# Altium PCB PCB3.PcbDoc (part 1 of 2) (continued)
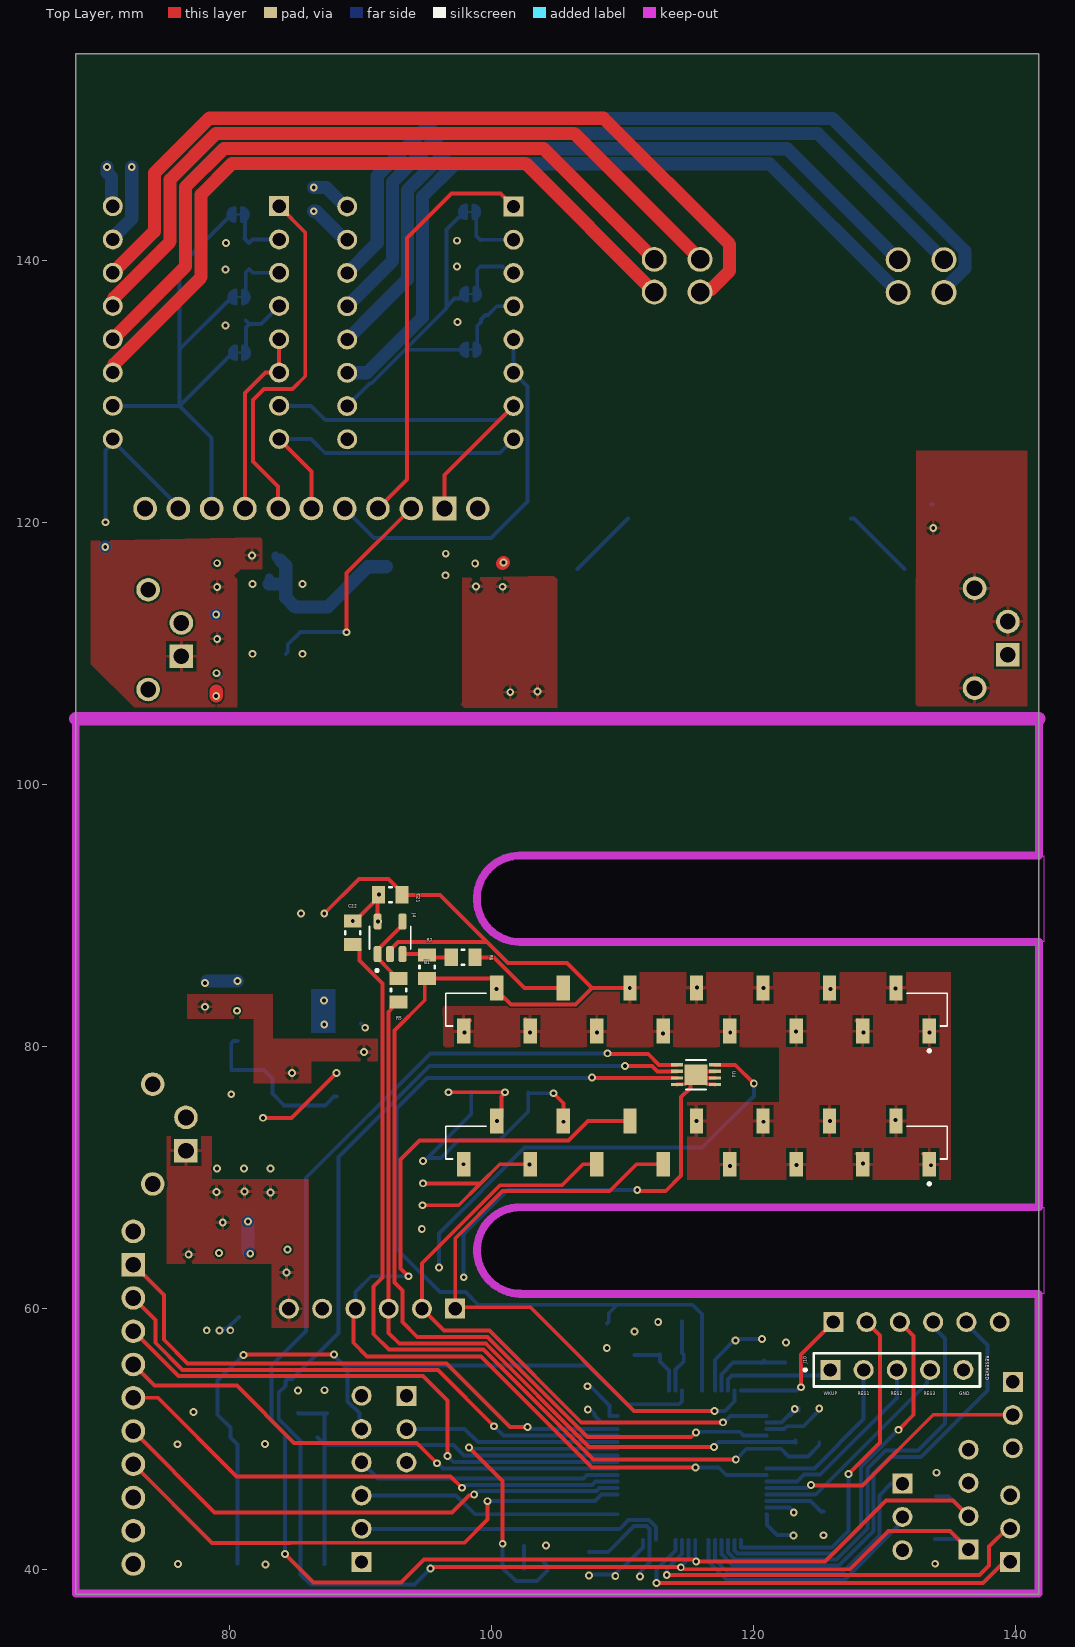
[diagram p0: Top Layer view]
## Footprints (in the part's own frame and the unit in brackets; to place one, negate y for a bottom-side part, rotate by r counter-clockwise, add the part's x,y. Pads: shape width x height; smd on the part's side, far side on the other; paste and mask are expansions set on the pad) (continued)
  silkscreen extent 0,-0.6 27.44,4.85, body extent 0.05,-0.03 27.5,4.82, height 7.1
PINES8x2-sep [mil]
  rect 60x60 / inner round 60 / far side rect 60x60 hole 40: 1(-335.98,-253.15)
  round 60 hole 40: 2(-235.98,-253.15) 3(-135.98,-253.15) 4(-35.98,-253.15) 5(64.02,-253.15) 6(164.02,-253.15) 7(264.02,-253.15) 8(364.02,-253.15) 9(364.02,246.85) 10(264.02,246.85) 11(164.02,246.85) 12(64.02,246.85) 13(-35.98,246.85) 14(-135.98,246.85) 15(-235.98,246.85) 16(-335.98,246.85)
  silkscreen extent -419,-303 414,300, body extent -400,-301 426,300, height 571
QFP50P1200X1200X160-64N [mm]
  rect 1.5x0.3 smd: 1(-5.7,3.75) 2(-5.7,3.25) 3(-5.7,2.75) 4(-5.7,2.25) 5(-5.7,1.75) 6(-5.7,1.25) 7(-5.7,0.75) 8(-5.7,0.25) 9(-5.7,-0.25) 10(-5.7,-0.75) 11(-5.7,-1.25) 12(-5.7,-1.75) 13(-5.7,-2.25) 14(-5.7,-2.75) 15(-5.7,-3.25) 16(-5.7,-3.75) 33(5.7,-3.75) 34(5.7,-3.25) 35(5.7,-2.75) 36(5.7,-2.25) 37(5.7,-1.75) 38(5.7,-1.25) 39(5.7,-0.75) 40(5.7,-0.25) 41(5.7,0.25) 42(5.7,0.75) 43(5.7,1.25) 44(5.7,1.75) 45(5.7,2.25) 46(5.7,2.75) 47(5.7,3.25) 48(5.7,3.75)
  rect 0.3x1.5 smd: 17(-3.75,-5.7) 18(-3.25,-5.7) 19(-2.75,-5.7) 20(-2.25,-5.7) 21(-1.75,-5.7) 22(-1.25,-5.7) 23(-0.75,-5.7) 24(-0.25,-5.7) 25(0.25,-5.7) 26(0.75,-5.7) 27(1.25,-5.7) 28(1.75,-5.7) 29(2.25,-5.7) 30(2.75,-5.7) 31(3.25,-5.7) 32(3.75,-5.7) 49(3.75,5.7) 50(3.25,5.7) 51(2.75,5.7) 52(2.25,5.7) 53(1.75,5.7) 54(1.25,5.7) 55(0.75,5.7) 56(0.25,5.7) 57(-0.25,5.7) 58(-0.75,5.7) 59(-1.25,5.7) 60(-1.75,5.7) 61(-2.25,5.7) 62(-2.75,5.7) 63(-3.25,5.7) 64(-3.75,5.7)
  silkscreen extent -6.08,-4.6 4.6,4.88, body extent -6,-6 6,6, height 1.6
RES_0805 [mm] "Chip Resistor, 2-Leads, Body 2.00x1.25mm, IPC Medium Density"
  rect 1x1.35 smd: 1(-0.9,0) 2(0.9,0)
  silkscreen extent -0.1,-0.58 0.1,0.58, body extent -1.05,-0.67 1.05,0.67, height 0.6
SOCKET-15_SMD-HARWIN_M20-7861546 [mm]
  rect 1.02x1.9 smd: 1(-12.659,-6.837) 2(-10.119,-3.537) 3(-7.579,-6.837) 4(-5.039,-3.537) 5(-2.499,-6.837) 6(0.041,-3.537) 7(2.581,-6.837) 8(5.121,-3.537) 9(7.661,-6.837) 10(10.201,-3.537) 11(12.741,-6.837) 12(12.741,3.323) 13(10.201,6.623) 14(7.661,3.323) 15(5.121,6.623) 16(2.581,3.323) 17(0.041,6.623) 18(-2.499,3.323) 19(-5.039,6.623) 20(-7.579,3.323) 21(-10.119,6.623) 22(-12.659,3.323) G1(-17.739,-6.837) G2(-15.199,-3.537) G3(15.281,-3.537) G4(17.821,-6.837) G5(17.821,3.323) G6(15.281,6.623) G7(-15.199,6.623) G8(-17.739,3.323)
  silkscreen extent -19.11,-8.44 19.19,6.22, body extent -20.8,-7.08 20.8,7.08, height 11.34
SOIC127P599X175-8N [mm]
  rrect25% 1.58x0.6 smd: 1(-2.67,1.905) 2(-2.67,0.635) 3(-2.67,-0.635) 4(-2.67,-1.905) 5(2.67,-1.905) 6(2.67,-0.635) 7(2.67,0.635) 8(2.67,1.905)
  silkscreen extent -4.35,-2.52 1.99,2.6, body extent -3,-2.45 3,2.45, height 1.75
SolderBridge_Short#1 [mil]
  round 10 smd mask+0: 1(-20,0) 2(20,0)
  Top Layer region: -9.02,-19.51 -20.97,-17.9 -28.54,-10.33 -28.54,10.33 -18.39,20.49 -9.02,20.49
  Top Layer region: 10,20 21.96,18.4 29.53,10.83 29.53,-9.84 19.37,-20 10,-20
  Top Layer lines w6: -10,0 10,0
  Top Layer lines w10: -10,20 ccw(c-10,0) -10,-20 -10,20 ; 10,20 cw(c10,0) 20,17.32 cw(c10,0) 10,-20 10,0 10,20
SolderBridge_Short#2 [mil]
  round 10 smd mask+0: 1(-20,0) 2(20,0)
  Top Layer region: 10,20 21.96,18.4 29.53,10.83 29.53,-9.84 19.37,-20 10,-20
  Top Layer region: -9.02,-19.51 -20.97,-17.9 -28.54,-10.33 -28.54,10.33 -18.39,20.49 -9.02,20.49
  Top Layer lines w6: -10,0 10,0
  Top Layer lines w10: -10,20 ccw(c-10,0) -10,-20 -10,20 ; 10,20 cw(c10,0) 20,17.32 cw(c10,0) 20,-17.32 cw(c10,0) 10,-20 10,0 10,20
SOT95P280X145-5N [mm]
  rrect50% 1.22x0.6 smd: 1(-1.245,0.95) 2(-1.245,0) 3(-1.245,-0.95) 4(1.245,-0.95) 5(1.245,0.95)
  silkscreen extent -2.6,-1.57 0.88,1.57, body extent -1.35,-1.45 1.35,1.45, height 1.45
SOT223-3_ONS-M [mil]
  rect 26x73 smd paste+0 mask+0: 1(-90.5,-129) 2(0,-129) 3(90.5,-129)
  round 1 smd: 4(0,129)
  Top Layer region: 65,92.5 65,165.5 -65,165.5 -65,92.5
  silkscreen extent -186,-148 136,78, body extent -131,-144 131,144, height 68
SOT230P700X180-4N [mm]
  rect 2.15x0.95 smd paste+0 mask+0.102: 1(-2.9,2.3) 2(-2.9,0) 3(-2.9,-2.3)
  rect 2.15x3.25 smd paste+0 mask+0.102: 4(2.9,0)
  silkscreen extent -4.7,-3.25 1.75,3.25, body extent -3.5,-3.25 3.5,3.25, height 1.8
SOT-23_DIO-M [mil]
  rect 24x62 smd paste+0 mask+0: 1(-36.02,-41) 2(36.02,-41) 3(0,41)
  silkscreen extent -64,-105 64,33, body extent -59,-50 59,50, height 45
SW_4-1437565-2 [mm]
  rect 2.1x1.4 smd: 1(-4.55,2.275) 2(4.55,2.275) 3(-4.55,-2.275) 4(4.55,-2.275)
  silkscreen extent -6.35,-3 3,3, body extent -5,-3 5,3, height 5.38
WE-HCF_2920 [mm] "SMD High Current Inductor, body 28x25mm"
  rect 8x8.5 smd: 1(0,8.5) 2(0,-8.5)
  silkscreen extent -14.1,-12.6 14.1,13.37, body extent -13.65,-11.55 13.65,11.55, height 20
XTALDFN320X250X100-2N [mm]
  rect 1.37x2.43 smd: 1(-0.9,0) 2(0.9,0)
  silkscreen extent -2.69,-0.1 -2.49,0.1, body extent -1.6,-1.25 1.6,1.25, height 1

## Part data
B1: "Image Sensors & Color Sensors CCD Linear Sensor 3648 8x20 54mm", Manufacturer_Name=Toshiba, Manufacturer_Part_Number=TCD1304DG(8Z,AW), Mouser Part Number=757-TCD1304DG8ZAW, Datasheet Link=https://datasheet.datasheetarchive.com/originals/distributors/DKDS-29/569259.pdf, Geometry.Height=3.72mm, Mouser Price/Stock=https://www.mouser.co.uk/ProductDetail/Toshiba/TCD1304DG8ZAW?qs=OLJpxlzHOSRVMcyirxbASw%3D%3D
C1 C2 C3 C4 C5 C6 C7 C8 C9 C10 C11 C12 C13 C14 C15 C16 C17 C18 C19 C20 C21 C22 C23 C24 C25 C26 C27 C28 C29 C30 C31 C32 C33 C34: library part CAP_0805, "Generic Capacitor"
D1: library part DIODE-BAS40-7-F, "Description", Manufacturer_Name="Diodes Inc", Copyright="Copyright (C) 2025 Ultra Librarian. All rights reserved.", Manufacturer_Part_Number=BAS40-7-F, RefDes=RefDes, Type="Diodes - Rectifiers, Single"
D2: library part LED-LTST-C190KRKT, "Red 631nm LED Indication - Discrete 2V 0603 (1608 Metric)", Package="0603 Lite-On", Availability="In Stock", Check_prices=https://www.snapeda.com/parts/LTST-C190KRKT/Lite-On+Inc./view-part/?ref=eda, MF="Lite-On Inc.", MP=LTST-C190KRKT, Price=None, Purchase-URL=https://pricing.snapeda.com/search/part/LTST-C190KRKT/?ref=eda, SnapEDA_Link=https://www.snapeda.com/parts/LTST-C190KRKT/Lite-On+Inc./view-part/?ref=snap
FL1 FL2: library part FERRITE-BLM18AG601SN1D, "600 Ohms @ 100 MHz 1 - Ferrite Bead 0603 (1608 Metric) 500mA 380mOhm", Package="1608 Murata", Availability="In Stock", Check_prices=https://www.snapeda.com/parts/BLM18AG601SN1D/Murata/view-part/?ref=eda, MF=Murata, MP=BLM18AG601SN1D, Price=None, Purchase-URL=https://pricing.snapeda.com/search/part/BLM18AG601SN1D/?ref=eda, SnapEDA_Link=https://www.snapeda.com/parts/BLM18AG601SN1D/Murata/view-part/?ref=snap
J1 J11 J13 J14 J17: Package=None, Availability=Unavailable, Price=None
  J1 J13 J14: MP=1706207
  J11 J17: MF="{'manufacturer': u'Phoenix Contact'}", MP=1821465
J2 J3 J5 J6 J7 J8 J9 J10 J12: "Generic 40 mils drill size, 100 mils step", Package=None, MF="Samtec Inc."
  J2 J3 J5 J6: Check_prices=https://www.snapeda.com/parts/TS-103-T-A/Samtec+Inc./view-part/?ref=eda, MP=TS-103-T-A, SnapEDA_Link=https://www.snapeda.com/parts/TS-103-T-A/Samtec+Inc./view-part/?ref=snap
  J7 J8 J12: Check_prices=https://www.snapeda.com/parts/TS-106-T-A/Samtec+Inc./view-part/?ref=eda, MP=TS-106-T-A, SnapEDA_Link=https://www.snapeda.com/parts/TS-106-T-A/Samtec+Inc./view-part/?ref=snap
  J9: Availability="In Stock", Check_prices=https://www.snapeda.com/parts/TS-104-T-A/Samtec+Inc./view-part/?ref=eda, MP=TS-104-T-A, Price=None, Purchase-URL=https://pricing.snapeda.com/search/part/TS-104-T-A/?ref=eda, SnapEDA_Link=https://www.snapeda.com/parts/TS-104-T-A/Samtec+Inc./view-part/?ref=snap
  J10: Availability="In Stock", Check_prices=https://www.snapeda.com/parts/TS-105-T-A/Samtec+Inc./view-part/?ref=eda, MP=TS-105-T-A, Price=None, Purchase-URL=https://pricing.snapeda.com/search/part/TS-105-T-A/?ref=eda, SnapEDA_Link=https://www.snapeda.com/parts/TS-105-T-A/Samtec+Inc./view-part/?ref=snap
J4: library part OPAMP-MCP6001UT-E/OT, "Microchip MCP6001UT-E/OT Op Amp, 1MHz Rail-Rail, 1.8 - 6 V, 5-Pin SOT-23", Package="SOT-23 Microchip", Check_prices=https://www.snapeda.com/parts/MCP6001UT-E/OT/Microchip/view-part/?ref=eda, MF=Microchip, MP=MCP6001UT-E/OT, SnapEDA_Link=https://www.snapeda.com/parts/MCP6001UT-E/OT/Microchip/view-part/?ref=snap
J15 J16: library part Phoenix_1787014_4P, "PCB headers, nominal cross section: 1.5 mmÂ², color: black, nominal current: 8 A, rated voltage (III/2): 160 V, contact surface: Tin, contact connection type: Pin, number of potentials: 4, number of rows: 2, number of positions: 2, number of connections: 4, product range: DMC 1,5/..-G1F-THR, pitch: 3.5 mm, mounting: THR soldering, pin layout: Linear pinning, solder pin [P]: 2 mm, number of solder pins per potential: 1, plug-in system: COMBICON DFMC 1,5, Pin connector pattern alignment: Standard, locking: Snap-in locking, mounting: Lock &amp; release threaded flange, type of packaging: packed in cardboard", Manufacturer_Name="Phoenix Contact", Copyright="Copyright (C) 2025 Ultra Librarian. All rights reserved.", Manufacturer_Part_Number=1787014, RefDes=RefDes, Type="Headers, Plugs and Sockets"
L1: library part L220uH_74437529203221, "WE-HCF SMT High Current Inductor, size 2920, 220μH, 8.15A, 40.1mΩ", Case/Size Code=2920, DC Resistance Max=40.1mΩ, Manufacturer="Wurth Elektronik", Manufacturer Part Number=74437529203221, Max Operating Temperature=125°C, Min Operating Temperature=-40°C, Performance Rated Current=8.15A, Saturation Current @ 10%=4.1A, Saturation Current @ 30%=5.3A, Self Resonant Frequency=2.8MHz, Category="Power Inductors", ComponentLink1Description="Website Link", ComponentLink1URL=https://www.we-online.com/redexpert/article/74437529203221?ad, ComponentLink2Description="Datasheet Link", ComponentLink2URL=https://www.we-online.com/redexpert/spec/74437529203221?ad, Height=20.5mm, Inductance=220μH, Length=28mm, Match Code=WE-HCF, Mount="Surface Mount", Packaging=Tray, Width=25mm
Q1: "P-Channel 30V 25A _Ta_ 2.5W _Ta_, 50W _Tc_ Surface Mount TO-252, _D-Pak_", Package="TO-252 Alpha &amp; Omega Semiconductor", Availability=Unavailable, MF="Alpha &", MP=AOD417, Price=None, SnapEDA_Link=https://www.snapeda.com/parts/AOD417/Alpha%20%26%20Omega%20Semiconductor%20Inc./view-part/454934/?ref=snap
R1 R3 R4 R5 R6 R7 R8 R9 R10 R11 R12 R13 R14 R15 R16 R17 R18 R19 R20: library part RES_0805, "Generic Capacitor"
SW1 SW2: library part SW-4-1437565-2, "Switch Tactile OFF (ON) SPST Round Button Gull Wing 0.05A 24VDC 1VA 9.18N SMD T/R", Package=None, Check_prices=https://www.snapeda.com/parts/FSM4JSMATR/TE+Connectivity+ALCOSWITCH+Switches/view-part/?ref=eda, MF="TE Connectivity", MP=FSM4JSMATR, SnapEDA_Link=https://www.snapeda.com/parts/FSM4JSMATR/TE+Connectivity+ALCOSWITCH+Switches/view-part/?ref=snap
U1: library part REG3_3-NCV1117ST33T3G, "Linear Voltage Regulator IC Positive Fixed 1 Output 1A SOT-223", Package="SOT-223-4 ON Semiconductor", Check_prices=https://www.snapeda.com/parts/NCV1117ST33T3G/Onsemi/view-part/?ref=eda, MF="ON Semiconductor", MP=NCV1117ST33T3G, SnapEDA_Link=https://www.snapeda.com/parts/NCV1117ST33T3G/Onsemi/view-part/?ref=snap
U2: "Description", Manufacturer_Name=onsemi, Copyright="Copyright (C) 2025 Ultra Librarian. All rights reserved.", Manufacturer_Part_Number=NCV1117STAT3G, RefDes=RefDes, Type=Type
U3: "ARM® Cortex®-M4 STM32F4 Microcontroller IC 32-Bit Single-Core 180MHz 256KB (256K x 8) FLASH 64-LQFP (10x10)", Package="LQFP-64 STMicroelectronics", Check_prices=https://www.snapeda.com/parts/STM32F446RCT6TR/STMicroelectronics/view-part/?ref=eda, MF=STMicroelectronics, MP=STM32F446RCT6TR, SnapEDA_Link=https://www.snapeda.com/parts/STM32F446RCT6TR/STMicroelectronics/view-part/?ref=snap
U4: library part MCP9808T-EMC, "Description", Manufacturer_Name=Microchip, Copyright="Copyright (C) 2026 Ultra Librarian. All rights reserved.", Manufacturer_Part_Number=MCP9808T-E/MC, RefDes=RefDes, Type=Type
U5: "Microchip TC4420COA,MOSFET Power Driver 6A,4.5 to 18V,Non-Inverting,8-Pin SOIC", Package="SOIC-8 Microchip", Check_prices=https://www.snapeda.com/parts/TC4420COA/Microchip/view-part/?ref=eda, MF="Microchip Technology", MP=TC4420COA, SnapEDA_Link=https://www.snapeda.com/parts/TC4420COA/Microchip/view-part/?ref=snap
X1: library part CRISTAL-CG04874-8M, "8 MHz ±20ppm Crystal 8pF 500 Ohms 2-SMD, No Lead", Package="SMD-2 NDK America,", Check_prices=https://www.snapeda.com/parts/CG04874-8M/NDK+America%252C+Inc./view-part/?ref=eda, MF="NDK America, Inc.", MP=CG04874-8M, SnapEDA_Link=https://www.snapeda.com/parts/CG04874-8M/NDK+America%252C+Inc./view-part/?ref=snap

## Via types
v1: diameter 0.6, hole 0.3, Top Layer to Bottom Layer, 160 vias

## Nets (pads, with @x,y where several pads share a name; then routed paths per layer and width w, separated by ;. In a path a pad name is that pad's centre, name@x,y a point inside that pad or via, vN(x,y) a via of type N, cw(c..) or ccw(c..) an arc to the next point about the centre after c; other vN are vias at no path point)
AGND: B1.6 B1.7 B1.8 B1.9 B1.10 B1.11 B1.12 B1.13 B1.14 B1.15 B1.16 B1.17 B1.18 B1.19 B1.20 B1.22 B1.G1 B1.G2 B1.G3 B1.G4 B1.G5 B1.G6 B1.G7 B1.G8 C12.1 C19.2 C20.2 C21.2 C22.2 C24.2 C25.2 J4.2 R1.1 R7.2 U3.12 U3.20 U3.22 | length 202.5
  Top Layer w0.3: v1(87.225,90.125) 89.875,92.775 92.125,92.775 93.175,91.725 C21.2@93.175,91.55 96.05,91.55 99.665,87.935 ; C22.2@89.4,87.75 89.575,87.75 89.925,87.4 89.925,86.55 91.68,84.795 91.68,62.32 91,61.64 91,58 92.175,56.825 99.391,56.825 107.791,48.425 v1(118.65,48.425) ; J4.2@92.25,87.025 92.25,87.335 92.85,87.935 99.665,87.935 ; v1(96.7,76.475) v1(101.025,76.475) 101.025,76.394 100.768,76.137 100.768,74.641 v1(100.408,74.281) ; B1.G8@97.868,81.141 97.868,81.581 98.228,81.941 B1.G8@98.348,81.941 ; B1.G7@100.408,84.001 100.408,84.033 100.488,84.113 B1.G7@100.488,84.183 ; B1.22@102.588,82.083 102.588,81.501 B1.22@102.948,81.141 ; v1(110.55,84.45) 110.541,84.441 107.659,84.441 ; v1(115.6,50.5) 115.25,50.15 107.339,50.15 99.689,57.8 94.325,57.8 93.2,58.925 93.2,59.503 93.207,59.51 93.207,61.343 92.595,61.955 92.595,81.195 94.9,83.5 94.9,84.975 R7.2@95.075,85.15 100.048,85.15 100.408,84.79 B1.G7@100.408,84.441 100.408,84.263 B1.G7@100.488,84.183 ; v1(120.775,84.425) B1.15@120.85,84.35 ; B1.10@125.808,73.841 B1.10@125.808,74.281 ; B1.13@125.808,84.001 B1.13@125.808,84.35 ; B1.13@125.808,84.441 B1.13@125.808,84.35 ; B1.13@125.925,84.4 v1(125.875,84.35) B1.13@125.808,84.35 ; B1.11@127.868,71.781 127.988,71.781 128.348,71.421 B1.11@128.348,70.981 ; B1.12@127.868,81.941 127.988,81.941 128.348,81.581 B1.12@128.348,81.141 B1.12@128.348,80.701 ; B1.G3@130.775,74.275 v1(130.85,74.35) B1.G3@130.85,73.878 ; v1(130.85,84.4) 130.85,84.038 B1.G6@131.248,83.641 ; B1.G4@132.948,71.781 133.068,71.781 133.55,71.298 v1(133.55,70.9) ; v1(133.425,81.05) B1.G5@133.425,81.583 ; 99.665,87.935 101.25,86.35 105.75,86.35 107.659,84.441 ; B1.G7@100.488,84.183 101.48,83.191 106.409,83.191 107.659,84.441
  Bottom Layer w0.3: v1(115.6,50.5) 115.65,50.55 118.95,50.55 119.246,50.254 U3.20@121.003,50.254 ; U3.12@117.053,53.704 117.053,56.053 C19.2@118.625,57.625 ; C19.2@118.45,57.625 C19.2@118.625,57.625 ; v1(118.65,48.425) 119.479,49.254 U3.22@121.003,49.254 122.097,49.254 122.676,48.675 124.15,48.675 125.025,49.55 C12.1@125.025,49.725 ; C20.2@120.6,57.65 C20.2@120.625,57.625 120.6,57.6 120.575,57.625 C19.2@118.625,57.625
  other v1: 118.625,57.525 120.65,57.625 118.2,70.85 123.275,70.925 97.868,70.981 128.35,71.025 120.75,74.225 115.65,74.275 125.85,74.275 113.075,80.975 97.925,81.025 102.95,81.05 108.05,81.05 118.225,81.05 128.4,81.05 123.25,81.125 100.375,84.375 115.675,84.475
B_DIR: J17.5 P1.8 P2.8 | length 25.1
  Top Layer w0.3: P2.8@83.78,126.354 86.245,123.889 J17.5@86.245,121.05
  Bottom Layer w0.3: P2.8@83.78,126.354 86.223,126.354 87.304,125.273 100.613,125.273 P1.8@101.675,126.335
B_NENBL1: J17.3 P1.1 | length 31.5
  Top Layer w0.3: J17.3@91.325,121.05 93.55,123.275 93.55,141.7 96.95,145.1 100.69,145.1 P1.1@101.675,144.115
B_NENBL2: J17.6 P2.1 | length 27.6
  Top Layer w0.3: J17.6@83.705,121.05 83.705,122.745 81.8,124.65 81.8,129.35 82.614,130.164 84.789,130.164 85.775,131.15 85.775,142.139 P2.1@83.78,144.134
B_NSLP1: J17.4 P1.5 P1.6 | length 28.8
  Bottom Layer w0.3: J17.4@88.785,121.05 91.035,118.8 99.95,118.8 102.737,121.587 102.737,130.353 P1.6@101.675,131.415 P1.5@101.675,133.955
B_NSLP2: J17.7 P2.5 P2.6 | length 14.6
  Top Layer w0.3: J17.7@81.165,121.05 81.165,129.865 82.734,131.434 P2.6@83.78,131.434 P2.5@83.78,133.974
B_PELCTRL: J17.2 U5.2 | length 17.2
  Top Layer w0.3: v1(88.925,111.6) 88.925,116.11 J17.2@93.865,121.05
  Bottom Layer w0.3: U5.2@84.285,109.955 84.435,110.105 84.435,110.66 85.4,111.625 88.9,111.625 v1(88.925,111.6)
B_STEP: J17.1 P1.7 P2.7 | length 28.8
  Top Layer w0.3: J17.1@96.405,121.05 96.405,123.605 P1.7@101.675,128.875
  Bottom Layer w0.3: P2.7@83.78,128.894 86.223,128.894 87.304,127.813 100.613,127.813 P1.7@101.675,128.875
BOOT1: J3.02 U3.28 | length 21.2
  Top Layer w0.3: v1(124.4,46.5) 124.457,46.443 128.318,46.443 133.725,51.85 J3.02@139.8,51.85
  Bottom Layer w0.3: U3.28@121.003,46.254 124.073,46.254 124.319,46.5 v1(124.4,46.5)
GND: C1.1 C2.1 C3.1 C4.1 C5.1 C6.1 C7.1 C8.1 C9.1 C10.1 C11.2 C13.1 C14.2 C15.2 C16.2 C17.2 C18.2 C23.2 C26.2 J1.1 J1.MH1 J1.MH2 J2.03 J3.03 J5.03 J6.03 J7.06 J8.06 J9.04 J10.05 J11.9 J11.MH1 J11.MH2 J12.06 R1.2 R3.1 SW1.1 SW1.2 SW2.1 SW2.2 U1.1 U3.18 U3.31 U3.47 U3.63 U4.4 U4.5 U4.6 U4.7 U4.9 | length 55.7
  Top Layer w0.3: v1(111.125,69) 111.175,68.95 113.3,68.95 114.475,70.125 114.475,76.1 115.181,76.806 115.181,77.391 U4.9@115.607,77.817 ; U4.4@114.162,77.067 114.185,77.09 114.778,77.09 115.505,77.817 U4.9@115.607,77.817 ; U4.5@117.052,77.067 117.029,77.09 116.436,77.09 U4.9@115.959,77.567 ; U4.6@117.052,77.567 U4.9@115.959,77.567 ; U4.7@117.052,78.067 115.857,78.067 U4.9@115.607,77.817 ; U4.9@115.607,77.817 115.709,77.817 U4.9@115.959,77.567
  Bottom Layer w0.3: J1.1@76.665,72.015 J1.1@77.415,71.265 ; v1(76.875,64.1) U1.1@76.899,64.124 ; C6.1@77.95,83 v1(78.125,83) C6.1@78.3,83 ; C1.1@78.9,68.85 v1(79,68.85) ; C2.1@81.075,68.85 v1(81.125,68.9) ; C3.1@83.05,68.9 v1(83.125,68.825) ; v1(84.775,77.95) 84.775,78 C7.1@84.775,78.1 ; R1.2@85.425,90.125 v1(85.45,90.125) ; v1(97.875,62.35) 97.85,62.375 97.85,65.645 101.205,69 v1(111.125,69) ; v1(107.35,52.25) 107.525,52.25 107.85,51.925 107.85,51.807 108.403,51.254 U3.63@109.603,51.254 ; C15.2@107.45,41.375 108.912,41.375 110.891,43.354 111.827,43.354 112.053,43.128 U3.47@112.053,42.304 112.053,40.553 111.325,39.825 C14.2@111.325,39.65 ; U3.31@121.003,44.754 122.755,44.754 C16.2@123.05,44.459 ; U3.18@121.003,51.254 122.129,51.254 C17.2@123.175,52.3 123.175,52.125 C17.2@122.825,51.775 ; C17.2@123.425,52.162 C17.2@123.425,52.375
  other v1: 111.325,39.5 82.725,40.425 76.05,40.45 125.35,42.65 123.075,44.375 76.025,49.6 82.7,49.625 77.25,52.05 123.15,52.3 85.225,53.7 110.925,58.2 112.725,58.925 84.35,62.725 94.675,66.025 79.475,66.525 80.125,76.325 90.25,79.55
GND2: J17.9 J17.MH1 J17.MH2 P1.9 P2.9 R13.1 R14.1 R15.1 R16.1 R18.1 R19.1 R20.1 U5.4 U5.5 | length 13.8
  Bottom Layer w0.3: v1(70.525,120) 70.525,125.468 71.08,126.023 P2.9@71.08,126.205 ; P2.9@71.08,126.354 P2.9@71.08,126.205 ; J17.9@76.085,121.05 76.085,121.2 P2.9@71.08,126.205
  other v1: 81.745,109.955 81.745,115.295 79.675,135.025 97.4,135.3 79.675,139.3 97.35,139.525 79.725,141.325 97.35,141.5
NetB1_3: B1.3 J12.02 U3.17 | length 50.1
  Top Layer w0.3: B1.3@108.028,70.981 106.981,70.981 105.375,69.375 100.639,69.375 94.685,63.421 J12.02@94.685,59.95 96.36,58.275 99.85,58.275 106.85,51.275 v1(117.675,51.275)
  Bottom Layer w0.3: v1(117.675,51.275) 117.756,51.275 118.235,51.754 U3.17@121.003,51.754
NetB1_4: B1.4 J12.04 U3.26 | length 72.1
  Top Layer w0.3: J12.04@89.605,59.95 89.45,59.795 89.45,57.35 90.5,56.3 99.189,56.3 107.664,47.825 v1(115.575,47.825) ; v1(93.65,62.425) 93.045,63.03 93.045,71.345 94.5,72.8 105.891,72.8 107.372,74.281 B1.4@110.568,74.281
  Bottom Layer w0.3: J12.04@89.605,59.95 89.605,61.215 90.815,62.425 v1(93.65,62.425) ; v1(115.575,47.825) 115.578,47.828 117.347,47.828 117.921,47.254 U3.26@121.003,47.254
NetB1_5: B1.5 J12.01 U3.15 | length 49
  Top Layer w0.3: B1.5@113.108,70.981 111.081,70.981 109.025,68.925 100.825,68.925 97.225,65.325 97.225,60.5 97.665,60.06 102.965,60.06 110.875,52.15 v1(117.025,52.15)
  Bottom Layer w0.3: v1(117.025,52.15) 117.823,52.15 118.553,52.88 U3.15@118.553,53.704
NetB1_21: B1.21 R6.1 | length 7.7
  Top Layer w0.3: R6.1@98.725,86.775 100.175,86.775 102.509,84.441 B1.21@105.488,84.441
NetC7_2: C7.2 D1.1 R3.2 R4.2 U2.1 | length 12.7
  Bottom Layer w0.3: U2.1@80.598,80.376 80.305,80.376 80.125,80.196 R3.2@80.125,78.175 82.625,78.175 C7.2@82.925,77.875 83.275,77.525 83.275,76.367 84.167,75.475 D1.1@84.65,75.475 87.3,75.475 87.975,76.15 R4.2@88.15,76.15
NetC9_2: C9.2 U3.5 X1.2 | length 5
  Bottom Layer w0.3: C9.2@110.925,56.4 112.825,56.4 X1.2@112.875,56.45 112.875,55.92 113.553,55.242 U3.5@113.553,53.704
NetC10_2: C10.2 U3.6 X1.1 | length 5.6
  Bottom Layer w0.3: U3.6@114.053,53.704 114.053,55.298 114.675,55.92 X1.1@114.675,56.45 114.55,56.575 C10.2@114.55,58.975
NetC11_1: C11.1 J8.05 SW1.3 SW1.4 U3.7 | length 59.3
  Top Layer w0.3: v1(81.05,56.425) 81.062,56.437 87.963,56.437 v1(87.975,56.45)
  Bottom Layer w0.3: SW1.4@80.6,40.475 SW1.3@80.6,49.575 80.05,50.125 80.05,50.875 79.075,51.85 79.075,54.45 v1(81.05,56.425) ; v1(87.975,56.45) 87.975,56.369 88.457,55.887 ; J8.05@90.075,50.76 89.901,50.934 89.901,51.972 89.013,52.86 89.013,55.331 88.719,55.625 ; U3.7@114.553,53.704 114.553,52.88 114.327,52.654 110.345,52.654 107.374,55.625 88.719,55.625 ; 88.457,55.887 88.719,55.625 ; 88.457,55.887 88.457,55.868 88.7,55.625 88.719,55.625
NetC12_2: C12.2 J12.03 R5.1 U3.21 | length 60.7
  Top Layer w0.3: R5.1@92.9,83.375 92.725,83.375 92.375,83.025 92.375,82.85 92.145,82.62 J12.03@92.145,59.95 92.145,58.105 92.975,57.275 99.577,57.275 107.452,49.4 v1(116.975,49.4)
  Bottom Layer w0.3: v1(116.975,49.4) 117.329,49.754 U3.21@121.003,49.754 123.196,49.754 C12.2@123.225,49.725 C12.2@123.225,49.9
NetC13_2: C13.2 U3.30 | length 4.7
  Bottom Layer w0.3: U3.30@121.003,45.254 122.246,45.254 122.251,45.259 124.361,45.259 125.161,44.459 C13.2@125.336,44.459
NetC26_1: C26.1 R11.1 SW2.3 SW2.4 U3.58 | length 37.2
  Bottom Layer w0.3: C26.1@85.225,51.975 85.25,51.95 R11.1@87.275,51.95 ; SW2.3@86.7,50.1 SW2.3@87.25,49.55 ; SW2.4@87.25,40.45 SW2.3@87.25,49.55 ; R11.1@87.45,51.95 R11.1@87.275,51.95 ; U3.58@109.603,48.754 97.896,48.754 97.1,49.55 SW2.3@87.25,49.55 ; SW2.3@87.25,49.55 87.25,51.925 R11.1@87.275,51.95
NetC34_2: C34.2 J14.1 L1.2 | length 5.9
  Bottom Layer w0.3: L1.2@127.425,120.275 127.675,120.275 L1.2@131.525,116.425 ; C34.2@133.55,121.35 C34.2@133.725,121.35
NetD2_C: D2.C R12.2 | length 1.7
  Bottom Layer w0.3: R12.2@102.475,40.125 102.49,40.14 D2.C@102.49,41.85
NetD3_3: D3.3 L1.1 Q1.4 | length 5.4
  Bottom Layer w0.3: L1.1@106.575,116.425 L1.1@110.425,120.275
NetJ2_02: J2.02 U3.60 | length 16.5
  Bottom Layer w0.3: J2.02@93.5,50.775 97.95,50.775 98.971,49.754 U3.60@109.603,49.754
NetJ4_1: J4.1 J4.4 R5.2 | length 5.9
  Top Layer w0.3: R5.2@92.9,85.175 92.725,85.175 92.375,85.525 92.375,85.64 91.3,86.715 J4.1@91.3,87.025 91.3,87.335 93.02,89.055 93.05,89.055 93.2,89.205 J4.4@93.2,89.515
NetJ4_3: J4.3 R6.2 R7.1 | length 3.8
  Top Layer w0.3: J4.3@93.2,87.025 95,87.025 R7.1@95.075,86.95 95.25,86.775 R6.2@96.925,86.775
NetJ5_01: J5.01 U3.43 | length 31.4
  Top Layer w0.3: v1(112.6,39.001) 137.516,39.001 J5.01@139.35,40.835
  Bottom Layer w0.3: v1(112.6,39.001) 112.6,40.027 114.053,41.48 U3.43@114.053,42.304
NetJ5_02: J5.02 U3.42 | length 31.5
  Top Layer w0.3: v1(113.375,39.625) 113.399,39.601 137.251,39.601 138,40.35 138,41.795 J5.02@139.35,43.145
  Bottom Layer w0.3: v1(113.375,39.625) 113.393,39.643 113.393,40.068 114.553,41.228 U3.42@114.553,42.304
NetJ6_01: J6.01 U3.37 | length 20.9
  Bottom Layer w0.3: U3.37@117.053,42.304 117.053,40.797 118.101,39.749 126.733,39.749 129.625,42.641 129.625,45.7 130.515,46.59 J6.01@131.375,46.59
NetJ6_02: J6.02 U3.38 | length 19.3
  Bottom Layer w0.3: U3.38@116.553,42.304 116.553,40.647 117.959,39.241 126.941,39.241 131.005,43.305 131.005,43.349 131.375,43.719 J6.02@131.375,44.05
NetJ7_01: J7.01 U3.16 | length 10.7
  Top Layer w0.3: v1(123.625,53.95) 123.625,56.453 J7.01@126.098,58.926
  Bottom Layer w0.3: U3.16@119.053,53.704 123.298,53.704 123.544,53.95 v1(123.625,53.95)
NetJ7_02: J7.02 U3.33 | length 26.9
  Top Layer w0.3: v1(127.25,47.325) 129.647,49.722 129.647,57.917 J7.02@128.638,58.926
  Bottom Layer w0.3: U3.33@119.053,42.304 119.053,41.725 126.001,41.725 127.25,42.974 v1(127.25,47.325) ; J7.02@128.638,58.7 J7.02@128.638,58.926
NetJ7_03: J7.03 U3.34 | length 29.4
  Top Layer w0.3: v1(131.075,50.7) 132.225,51.85 132.225,57.879 J7.03@131.178,58.926
  Bottom Layer w0.3: U3.34@118.553,42.304 118.553,41.48 118.779,41.254 126.167,41.254 128.2,43.287 128.2,47.875 131.025,50.7 v1(131.075,50.7) ; J7.03@131.178,58.66 J7.03@131.178,58.926
NetJ7_04: J7.04 U3.35 | length 32.9
  Bottom Layer w0.3: U3.35@118.053,42.304 118.053,41.343 118.592,40.804 126.353,40.804 128.7,43.151 128.7,47.739 130.075,49.114 132.564,49.114 134.625,51.175 134.625,57.688 133.718,58.595 J7.04@133.718,58.926
NetJ7_05: J7.05 U3.36 | length 35.8
  Bottom Layer w0.3: U3.36@117.553,42.304 117.553,41.207 118.406,40.354 126.539,40.354 129.175,42.99 129.175,47.35 130.456,48.631 132.806,48.631 137.875,53.7 137.875,57.163 136.258,58.78 J7.05@136.258,58.926
NetJ8_02: J8.02 U3.46 | length 23.9
  Bottom Layer w0.3: J8.02@90.08,43.14 109.79,43.14 110.454,43.804 112.014,43.804 112.553,43.265 U3.46@112.553,42.304
NetJ8_03: J8.03 U3.49 | length 20.1
  Bottom Layer w0.3: J8.03@90.075,45.68 97.295,45.68 98.721,44.254 U3.49@109.603,44.254
NetJ8_04: J8.04 U3.55 | length 20.2
  Bottom Layer w0.3: J8.04@90.075,48.22 91.32,46.975 107.025,46.975 107.304,47.254 U3.55@109.603,47.254
NetJ9_01: J9.01 R10.1 U3.41 U4.2 | length 122.5
  Top Layer w0.3: v1(95.325,40.1) 95.382,40.157 95.583,40.157 95.651,40.225 114.426,40.225 v1(114.45,40.201) 114.531,40.201 114.681,40.051 127.376,40.051 130.3,42.975 135.015,42.975 J9.01@136.425,41.565 ; v1(110.2,78.475) 112.249,78.475 112.657,78.067 U4.2@114.162,78.067
  Bottom Layer w0.3: v1(95.325,40.1) 94.1,38.875 86.2,38.875 85.425,39.65 85.425,49.85 83.75,51.525 83.75,53.55 84.25,54.05 84.25,54.399 84.426,54.575 84.775,54.575 88.3,58.1 88.3,71.525 95.25,78.475 v1(110.2,78.475) ; v1(114.45,40.201) 114.45,40.268 115.053,40.871 U3.41@115.053,42.304 ; R10.1@133.875,42.35 135.64,42.35 J9.01@136.425,41.565